# Altium PCB PCB.PcbDoc (part 1 of 3) (continued)
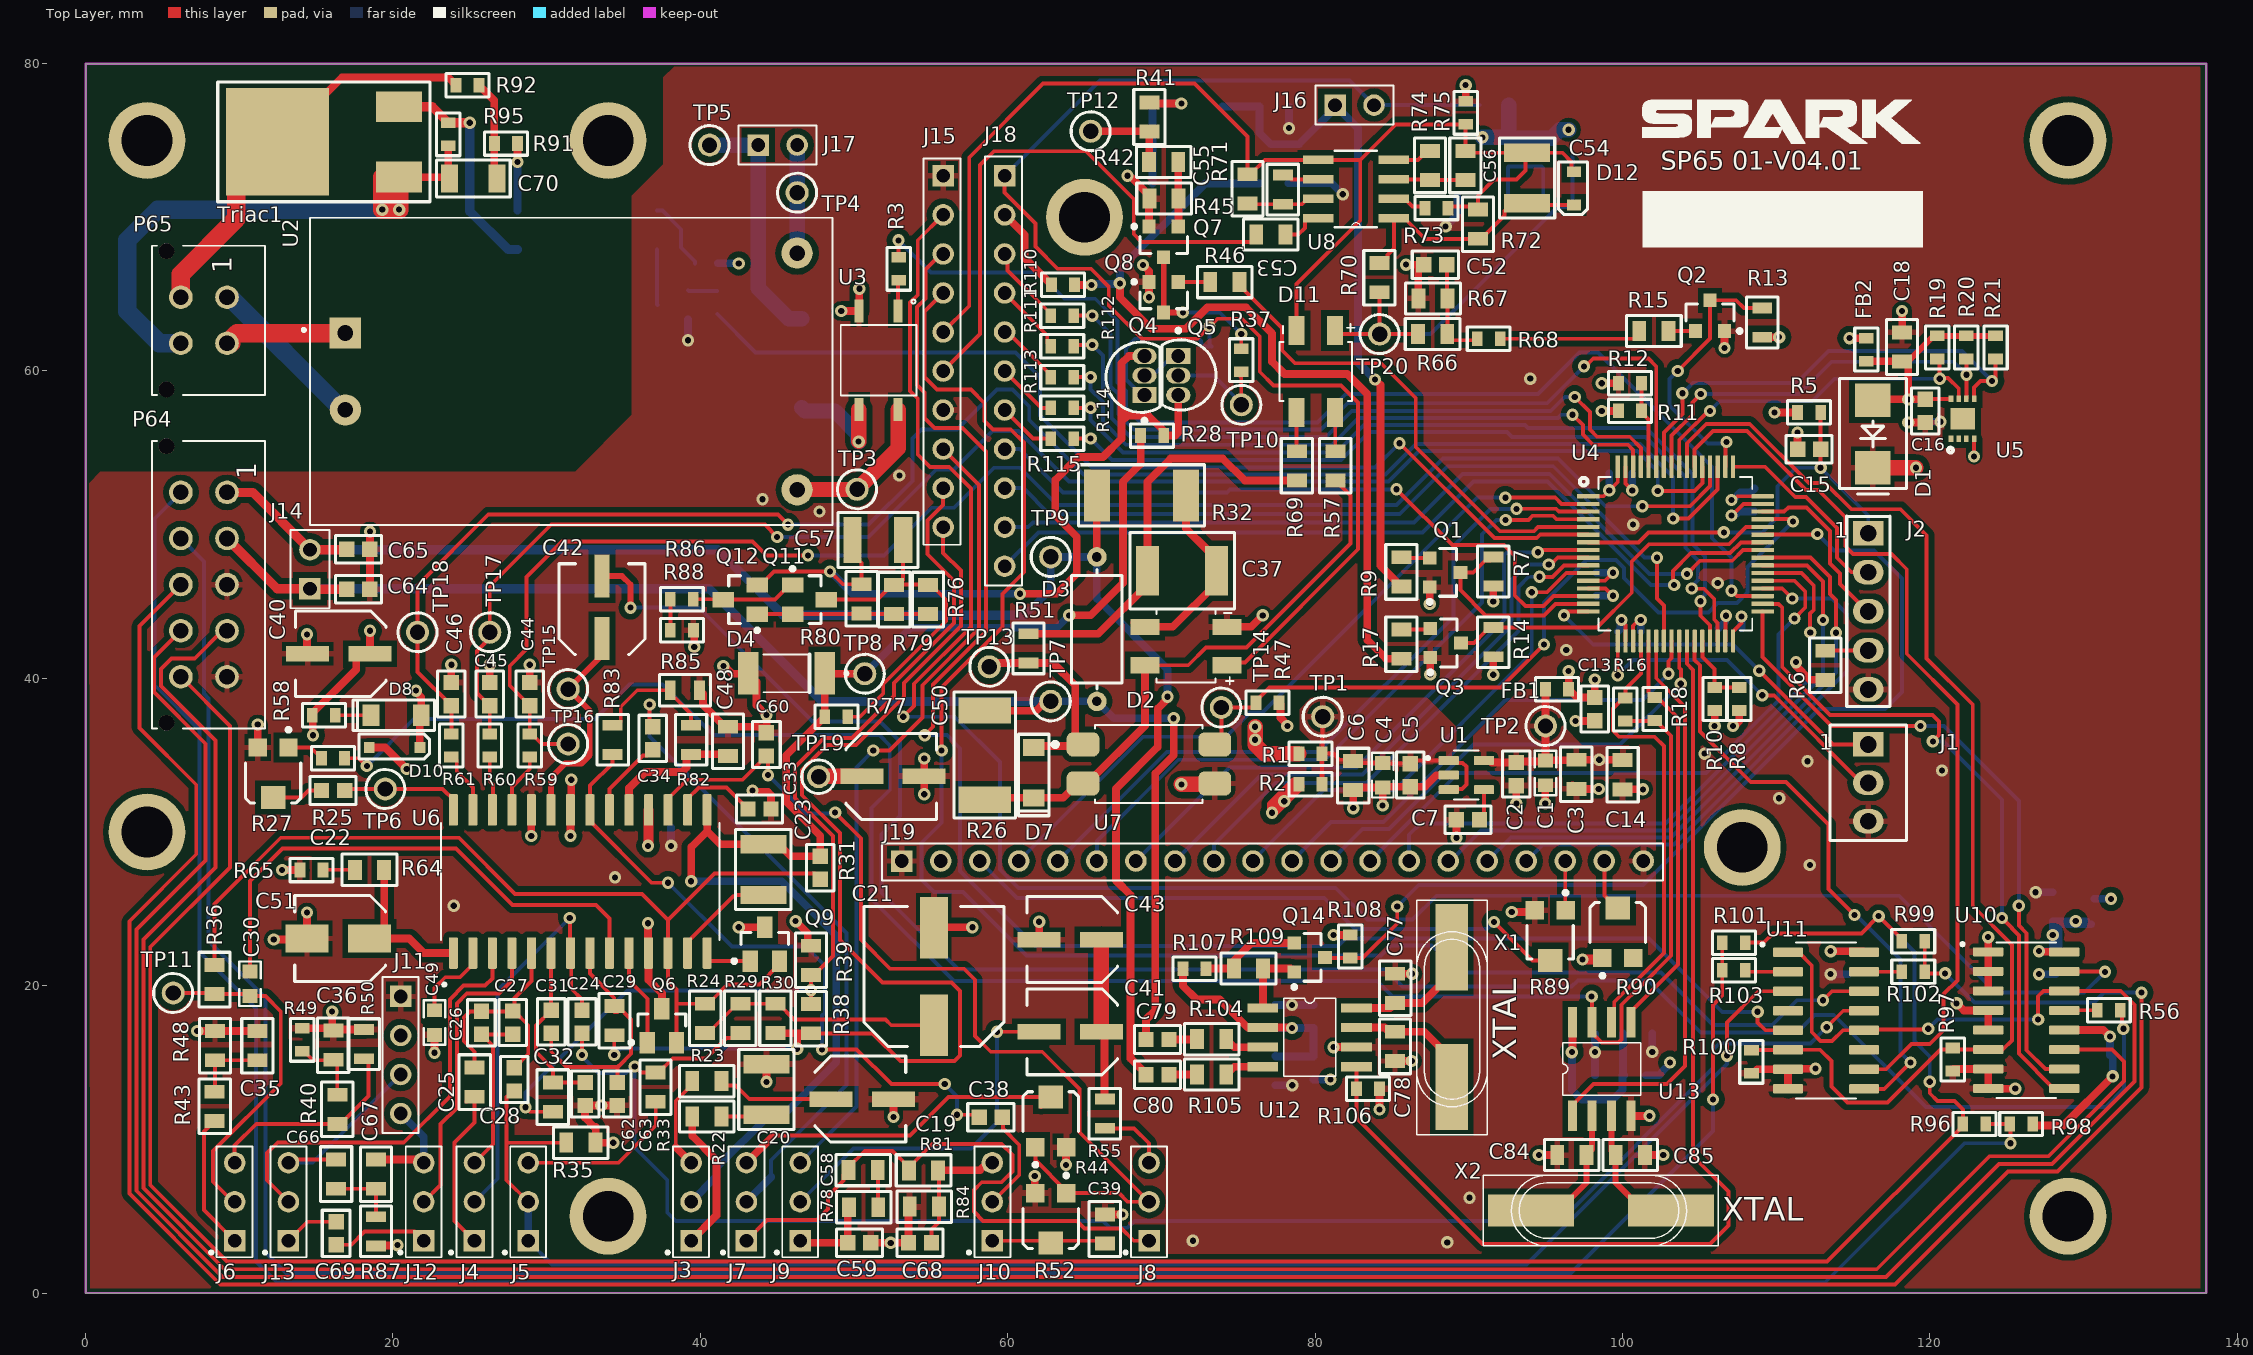
[diagram p0: Top Layer view]
## Components (designator, comment, footprint, x,y, rotation, side; value= is the part's Value field where it differs from the comment)
C1 "CL10A105KA8NNNC" C0603#1 95,33.845 r90 top value=1uF
C2 "CC0603KRX7R8BB104" C0603#2 93.1,33.77 r270 top value=100nF
C3 "C0805C106K9PACTU" 0805 97.017,33.776 r90 top value=10µF
C4 "CL10A105KA8NNNC" C0603#1 84.4,33.7 r90 top value=1uF
C5 "CC0603KRX7R8BB104" C0603#2 86.2,33.7 r270 top value=100nF
C6 "C0805C106K9PACTU" 0805 82.5,33.7 r90 top value=10µF
C7 "06035C103KAT2A" C0603#2 89.95,30.8 r0 top value=10nF
C8 "CC0603KRX7R8BB104" C0603#2 98.293,46.124 r90 bottom value=100nF
C9 "CC0603KRX7R8BB104" C0603#2 99.893,53.324 r0 bottom value=100nF
C10 "CC0603KRX7R8BB104" C0603#2 100.443,43.024 r180 bottom value=100nF
C11 "CC0603KRX7R8BB104" C0603#2 107,43.25 r180 bottom value=100nF
C12 "CC0603KRX7R8BB104" C0603#2 108.6,51.6 r270 bottom value=100nF
C13 "CC0603KRX7R8BB104" C0603#2 98.2,38 r270 top value=100nF
C14 "C0805C106K9PACTU" 0805 100,33.7 r270 top value=10µF
C15 "CC0603KRX7R8BB104" C0603#2 112.15,54.9 r180 top value=100nF
C16 "06035C103KAT2A" C0603#2 119.7,57.4 r90 top value=10nF
C17 "CC0603KRX7R8BB104" C0603#2 119.7,57.4 r270 bottom value=100nF
C18 "C0805C106K9PACTU" 0805 118.18,61.536 r270 top value=10µF
C19 "CMP-001-00187-1" "CAPAE6767X56M 100UF 16V" 50.8,13 r0 top value="100uF 16V"
C20 "GRM32ER7YA106KA12L" C1210 44.3,13.25 r90 top value=10µF
C21 "CMP-001-00174-1" "CAPAE9290X56M 220UF 6.3V" 55.2,20.6 r90 top value=220µF
C22 "CC0603KRX7R8BB104" C0603#2 16.1,32.7 r180 top value=100nF
C23 "GRM32ER7YA106KA12L" C1210 44.1,27.55 r90 top value=10µF
C24 "CC0603KRX7R8BB104" C0603#2 32.3,17.65 r270 top value=100nF
C25 "CMP-001-00170-1" 0805 25.3,13.7 r270 top value=33nF
C26 "CC0603KRX7R7BB824" C0603#2 25.756,17.584 r270 top value=820nF
C27 "CC0603KRX7R8BB104" C0603#2 27.8,17.6 r270 top value=100nF
C28 "CC0603KRX7R8BB104" C0603#2 27.9,13.9 r90 top value=100nF
C29 "CMP-001-00169-1" 0805 34.4,17.7 r270 top value=15nF
C30 "CL10A105KA8NNNC" C0603#1 10.7,20.125 r270 top value=1uF
C31 "06035C103KAT2A" C0603#2 30.3,17.65 r270 top value=10nF
C32 "CMP-001-00169-1" 0805 30.383,12.724 r270 top value=15nF
C33 "06035C103KAT2A" C0603#2 43.85,31.5 r180 top value=10nF
C34 "CC0603KRX7R8BB104" C0603#2 36.9,36.1 r90 top value=100nF
C35 "CMP-001-00169-1" 0805 11.159,16.071 r270 top value=15nF
C36 "CMP-001-00169-1" 0805 16.1,16.1 r270 top value=15nF
C37 "1812B684M251CT" C1812 71.35,47 r0 top value=680nF
C38 "VJ0603Y223JXAAC" C0603#2 58.9,11.44 r0 top value=22nF
C39 "CMP-001-00184-1" 0805 66.3,4.14 r270 top value=22nF
C40 "CMP-001-00185-1" "CAPAE9984X105M 470UF 6.3V" 20.532,43.759 r180 top value="470uF 6.3V"
C41 "CMP-001-00187-1" "CAPAE6767X56M 100UF 16V" 63.814,16.619 r180 top value="100uF 16V"
C42 "CMP-001-00187-1" "CAPAE6767X56M 100UF 16V" 33.219,44.886 r90 top value="100uF 16V"
C43 "CMP-001-00187-1" "CAPAE6767X56M 100UF 16V" 63.814,22.619 r180 top value="100uF 16V"
C44 "885342206003" 0603 28.76,39.997 r270 top value=1nF
C45 "885342206003" 0603 26.16,39.997 r270 top value=1nF
C46 "885342206003" 0603 23.66,39.997 r270 top value=1nF
C47 "CL21A226KPCLRNC" C0805 92.6,74.25 r90 bottom value=22µF
C48 "CL21A226KPCLRNC" C0805 41.8,35.9 r270 top value=22µF
C49 "CL10A105KA8NNNC" C0603#1 22.7,17.6 r90 top value=1uF
C50 "CMP-001-00187-1" "CAPAE6767X56M 100UF 16V" 52.8,34 r0 top value="100uF 16V"
C51 "CMP-001-00173-1" "CAPAE6342X55M 22UF 6.3V" 16.56,23.073 r180 top value=33µF
C52 "06035C103KAT2A" C0603#2 87.824,66.917 r0 top value=10nF
C53 "CMP-001-00181-1" 0805 77.1,68.9 r180 top value=220nF
C54 "GRM32ER7YA106KA12L" C1210 93.8,72.55 r270 top value=10µF
C55 "CMP-001-00182-1" 0805 75.583,71.824 r270 top value=620pF
C56 "CMP-001-00168-1" 0805 89.8,73.4 r90 top value=100nF
C57 "C1210C106M5RACTU" C1210 51.55,49 r0 top value=10µF
C58 "CL21A226KPCLRNC" C0805 50.6,8 r180 top value=22µF
C59 "CMP-001-00165-1" 0603 49.326,3.127 r0 top value=3.3uF
C60 "CC0603KRX7R8BB104" C0603#2 44.3,35.7 r270 top value=100nF
C61 "CC0603KRX7R8BB104" C0603#2 37.35,30.3 r180 bottom value=100nF
C62 "885342206003" 0603 32.64,11.928 r90 top value=1nF
C63 "885342206003" 0603 34.74,11.928 r90 top value=1nF
C64 "885342206003" 0603 18.772,45.94 r180 top value=1nF
C65 "885342206003" 0603 18.772,48.54 r180 top value=1nF
C66 "CMP-001-00190-1" C0805 16.3,7.74 r270 top value=4.7nF
C67 "CMP-001-00190-1" C0805 18.9,7.736 r90 top value=4.7nF
C68 "VJ0603Y223JXAAC" C0603#2 54.296,3.267 r0 top value=22nF
C69 "06035C103KAT2A" C0603#2 16.3,3.89 r90 top value=10nF
C70 "CMP-001-00171-1" 1206 23.8,72.3 r0 top value=22nF
C71 "CC0603KRX7R8BB104" C0603#2 114.7,21.5 r270 bottom value=100nF
C72 "06035C103KAT2A" C0603#2 128.2,21.5 r90 bottom value=10nF
C73 "C0805C106K9PACTU" 0805 128,25.1 r270 bottom value=10µF
C74 "CC0603KRX7R8BB104" C0603#2 79.9,18 r90 bottom value=100nF
C75 "06035C103KAT2A" C0603#2 77.4,18 r90 bottom value=10nF
C76 "C0805C106K9PACTU" 0805 77.4,14.5 r90 bottom value=10µF
C77 "CMP-001-00183-1" 0805 85.2,19.8 r270 top value=20pF
C78 "CMP-001-00183-1" 0805 85.217,16.076 r90 top value=20pF
C79 "06035C103KAT2A" C0603#2 69.75,16.5 r180 top value=10nF
C80 "06035C103KAT2A" C0603#2 69.75,14.2 r180 top value=10nF
C81 "CC0603KRX7R8BB104" C0603#2 97.462,14.178 r0 bottom value=100nF
C82 "06035C103KAT2A" C0603#2 97.462,16.878 r0 bottom value=10nF
C83 "C0805C106K9PACTU" 0805 100.962,16.878 r180 bottom value=10µF
C84 "CMP-001-00183-1" 0805 96.738,8.961 r0 top value=20pF
C85 "CMP-001-00183-1" 0805 100.486,8.995 r180 top value=20pF
D1 "CMP-004-00053-1" "SMB (DO-214AA)" 116.3,55.9 r270 top value="SMBJ5.0CA, Bi-Dir"
D2 "MB10F-13" DIOB_MB10F-13 71.6,42.1 r180 top
D3 "DSS-301L" DSS 65.8,43.201 r90 top
D4 "ZM4740A" DIOMELF5124N 45.6,40.325 r180 top
D5 "MURS140-E3/5BT" DO-214AA-2 71.7,72.2 r0 bottom
D6 "MURS140-E3/5BT" DO-214AA-2 71.7,77.2 r0 bottom
D7 "1N4148W_R1_00001" SOD-123 61.7,33.86 r90 top
D8 "1N4148W_R1_00001" SOD-123 20.2,37.6 r0 top
D9 "DDZ5V1BS-7" "Zener 5.1V" 90.9,71.4 r0 bottom value=5.1V
D10 "DDZ5V1BS-7" "Zener 5.1V" 20.1,35.5 r0 top value=5.1V
D11 "MB10F-13" DIOB_MB10F-13 80.05,59.962 r270 top
D12 "CMP-004-00064-1" "Diode - 27V" 96.85,71.95 r270 top value=27V
FB1 "CMP-006-00051-1" R0603 95.75,39.3 r180 top
FB2 "CMP-006-00051-1" R0603 115.88,61.386 r90 top
FB3 "CMP-006-00051-1" R0603 130.7,24.9 r90 bottom
FB4 "CMP-006-00051-1" R0603 79.9,14.65 r270 bottom
FB5 "CMP-006-00051-1" R0603 100.762,14.178 r0 bottom
J1 "171825-3" "HDR_MALE_1x3_2.5MM_AMP EI_VERT" 116,33.2 r0 top locked value="HDR 3x1, 2.5 mm"
J2 "5 x 1 HDR" HDR_male_1x5_2.54mm 116,44.36 r0 top locked
J3 "5-146274-3" TE_5-146274-3 39.4,5.94 r90 top
J4 "5-146274-3" TE_5-146274-3 25.3,5.94 r90 top
J5 "5-146274-3" TE_5-146274-3 28.8,5.94 r90 top
J6 "5-146274-3" TE_5-146274-3 9.7,5.94 r90 top
J7 "5-146274-3" TE_5-146274-3 43,5.94 r90 top
J8 "5-146274-3" TE_5-146274-3 69.2,5.94 r90 top
J9 "5-146274-3" TE_5-146274-3 46.5,5.94 r90 top
J10 "5-146274-3" TE_5-146274-3 59,5.94 r90 top
J11 "5-146274-4" 5-146274-3 20.5,15.49 r270 top
J12 "5-146274-3" TE_5-146274-3 22,5.94 r90 top
J13 "5-146274-3" TE_5-146274-3 13.2,5.94 r90 top
J14 "5-146274-2" TE_5-146274-2 14.6,47.1 r90 top
J15 "146443-5" 146443-5 55.8,61.267 r270 top locked
J16 "5-146274-2" TE_5-146274-2 82.57,77.3 r0 top
J17 "5-146274-2" TE_5-146274-2 45.03,74.7 r0 top
J18 "1-826629-1" 1-826629-1 59.8,59.997 r270 top locked
J19 "2-826936-0" 2-826936-0 77.232,28.113 r0 top locked
P64 "66201021122" "POWER 10 PIN" 9.732,45.846 r90 top locked
P65 "66200421122" power-4pin 9.859,63.427 r90 top locked
Q1 "MMBT2222A-7-F" SOT23127P600-8N 88.465,46.889 r0 top
Q2 "MMBT2222A-7-F" SOT23127P600-8N 105.7,63.6 r90 top
Q3 "MMBT2222A-7-F" SOT23127P600-8N 88.5,42.3 r0 top
Q4 "MPSA92PBFREE" UNIC-TO-92-3 68.9,59.7 r270 top
Q5 "MPSA92PBFREE" UNIC-TO-92-3 71.1,59.7 r90 top
Q6 "BCX17LT1G" FAIR-SOT23-3_V 37.5,17.4 r90 top
Q7 "MMBT5551" SOT23127P600-8N 70.15,68.4 r270 top
Q8 "MMBT5551" SOT23127P600-8N 70.15,64.8 r270 top
Q9 "BCX17LT1G" FAIR-SOT23-3_V 44.2,22.7 r90 top
Q10 "MMBT5551" SOT23127P600-8N 95.8,74.2 r0 bottom
Q11 "BCX17LT1G" FAIR-SOT23-3_V 47.1,45.125 r0 top
Q12 "BCX17LT1G" FAIR-SOT23-3_V 42.6,45.125 r180 top
Q13 "MMBT2222A-7-F" SOT23127P600-8N 38.2,64.3 r180 bottom
Q14 "MMBT2222A-7-F" SOT23127P600-8N 79.644,21.837 r0 top
R1 "RMCF0603ZT0R00" R0603 79.7,35.1 r0 top value=0
R2 "RMCF0603ZT0R00" R0603 79.7,33.1 r0 top value=0
R3 "RC0603FR-07330RL" R0603 52.9,66.65 r90 top value=330
R4 "4-1879501-3" R2512 46.6,60.5 r90 bottom value=56
R5 "CRCW060310K0JNEA" R0603 112.15,57.3 r180 top value=10k
R6 "CMP-009-00305-1" 0805 113.183,40.824 r270 top value=0
R7 "RC0805FR-07100KL" R0805 91.6,46.95 r270 top value=100k
R8 "CRCW060310K0JNEA" R0603 107.6,38.65 r90 top value=10k
R9 "CMP-009-00300-1" 0805 85.6,46.9 r270 top value="1 M"
R10 "CRCW060310K0JNEA" R0603 106,38.65 r90 top value=10k
R11 "CRCW060310K0JNEA" R0603 100.5,57.4 r0 top value=10k
R12 "CRCW060310K0JNEA" R0603 100.5,59.2 r0 top value=10k
R13 "RC0805FR-07100KL" R0805 109.1,63.15 r270 top value=100k
R14 "RC0805FR-07100KL" R0805 91.6,42.35 r270 top value=100k
R15 "CMP-009-00308-1" 0805 102.076,62.583 r0 top value=330k
R16 "CRCW060310K0JNEA" R0603 100.193,37.977 r90 top value=10k
R17 "CMP-009-00300-1" 0805 85.6,42.2 r270 top value="1 M"
R18 "CRCW060310K0JNEA" R0603 102.1,38 r90 top value=10k
R19 "CRCW060310K0JNEA" R0603 120.48,61.536 r90 top value=10k
R20 "CRCW060310K0JNEA" R0603 122.38,61.536 r90 top value=10k
R21 "CRCW060310K0JNEA" R0603 124.28,61.536 r270 top value=10k
R22 "CMP-009-00298-1" 0805 40.4,11.5 r180 top value=1.5k
R23 "CMP-009-00299-1" 0805 40.4,13.8 r180 top value=1.8k
R24 "CMP-009-00296-1" 0805 40.3,17.848 r270 top value=2.2k
R25 "RMCF0603ZT0R00" R0603 16.1,34.8 r180 top value=0
R26 "1-2176230-4" R2512 58.5,35 r270 top value=10
R27 "TC33X-2-203E" BOUR-TC33X-2_V 12.2,33.7 r270 top value=20k
R28 "RMCF0603ZT0R00" R0603 69.4,55.8 r180 top value=0
R29 "CMP-009-00289-1" 0805 42.617,17.9 r90 top value=1.2k
R30 "CMP-009-00289-1" 0805 44.9,17.9 r90 top value=1.2k
R31 "CMP-009-00303-1" 0603 47.94,26.653 r90 top value=30
R32 "1-2176230-4" R2512 68.7,51.9 r0 top value=10
R33 "CMP-009-00295-1" 0805 37.1,13.425 r90 top value=2k
R34 "RC0805FR-07100KL" R0805 73.25,60.65 r270 bottom value=100k
R35 "CMP-009-00289-1" 0805 32.2,9.8 r180 top value=1.2k
R36 "CMP-009-00293-1" 0805 8.4,20.425 r90 top value=300
R37 "CRCW060310K0JNEA" R0603 75.2,60.7 r270 top value=10k
R38 "CMP-009-00302-1" 0805 47.183,17.824 r270 top value=8.2k
R39 "CMP-009-00289-1" 0805 47.183,21.624 r270 top value=1.2k
R40 "CMP-009-00292-1" 0805 16.359,11.925 r270 top value=2.7k
R41 "CMP-009-00316-1" 0805 69.2,76.5 r270 top value=470k
R42 "CMP-009-00311-1" 0805 70.176,73.583 r0 top value=82k
R43 "CMP-009-00299-1" 0805 8.383,12.124 r270 top value=1.8k
R44 "TC33X-2-203E" BOUR-TC33X-2_V 62.8,11.3 r90 top value=20k
R45 "CMP-009-00308-1" 0805 70.2,71.2 r0 top value=330k
R46 "CMP-009-00311-1" 0805 74.1,65.8 r180 top value=82k
R47 "CRCW060310K0JNEA" R0603 76.9,38.4 r0 top value=10k
R48 "CMP-009-00306-1" 0805 8.4,16.071 r270 top value=12k
R49 "CRCW060310K0JNEA" R0603 14.1,16.478 r270 top value=10k
R50 "CMP-009-00321-1" R0805 18.1,16.2 r270 top value=18k
R51 "CMP-009-00321-1" R0805 61.35,41.95 r270 top value=18k
R52 "TC33X-2-203E" BOUR-TC33X-2_V 62.8,4.7 r270 top value=20k
R53 "CMP-009-00300-1" 0805 77.3,77.2 r180 bottom value="1 M"
R54 "CMP-009-00300-1" 0805 77.3,72.2 r180 bottom value="1 M"
R55 "CRCW0805680RJNEBC" R0805 66.317,11.669 r90 top value=680
R56 "RMCF0603ZT0R00" R0603 131.65,18.4 r180 top value=0
R57 "CMP-009-00305-1" 0805 81.3,53.8 r270 top value=0
R58 "RMCF0603ZT0R00" R0603 15.5,37.6 r180 top value=0
R59 "CRCW060310R0FKEAHP" R0603 28.9,35.628 r90 top value=10
R60 "CRCW060310R0FKEAHP" R0603 26.3,35.628 r90 top value=10
R61 "CRCW060310R0FKEAHP" R0603 23.8,35.628 r90 top value=10
R62 "CMP-009-00294-1" 0805 91.676,77.317 r0 bottom value=1.5M
R63 "CMP-009-00321-1" R0805 95.8,71.2 r0 bottom value=18k
R64 "CMP-009-00314-1" 0805 18.5,27.525 r0 top value=47k
R65 "RMCF0603ZT0R00" R0603 14.7,27.525 r0 top value=0
R66 "CMP-009-00308-1" 0805 87.624,62.417 r180 top value=330k
R67 "CMP-009-00308-1" 0805 87.7,64.7 r0 top value=330k
R68 "RMCF0603ZT0R00" R0603 91.3,62.1 r180 top value=0
R69 "CMP-009-00315-1" 0805 78.8,53.8 r270 top value=2.2k
R70 "CMP-009-00296-1" 0805 84.2,66.1 r90 top value=2.2k
R71 "CMP-009-00320-1" R0805 77.9,71.8 r90 top value=390k
R72 "CMP-009-00308-1" 0805 90.583,69.524 r270 top value=330k
R73 "CRCW060310K0JNEA" R0603 87.9,70.6 r180 top value=10k
R74 "CMP-009-00309-1" 0805 87.5,73.4 r90 top value=510k
R75 "RMCF0603ZT0R00" R0603 89.8,76.8 r270 top value=0
R76 "CMP-009-00289-1" 0805 54.8,45.1 r270 top value=1.2k
R77 "RMCF0603ZT0R00" R0603 48.85,37.5 r180 top value=0
R78 "CMP-009-00291-1" 0805 50.6,5.6 r180 top value=200
R79 "CMP-009-00289-1" 0805 52.6,45.1 r270 top value=1.2k
R80 "CMP-009-00290-1" 0805 50.483,45.149 r270 top value=13
R81 "CMP-009-00306-1" 0805 54.5,8 r180 top value=12k
R82 "CMP-009-00320-1" R0805 39.4,36 r270 top value=390k
R83 "CMP-009-00320-1" R0805 34.3,36 r90 top value=390k
R84 "CMP-009-00306-1" 0805 54.6,5.6 r0 top value=12k
R85 "CMP-009-00320-1" R0805 39,39.225 r180 top value=390k
R86 "CRCW060310K0JNEA" R0603 38.795,45.147 r0 top value=10k
R87 "CMP-009-00320-1" R0805 18.9,4.018 r90 top value=390k
R88 "RMCF0603ZT0R00" R0603 38.8,43.125 r180 top value=0
R89 "TC33X-2-103G" BI-35WR10KLFTR-3_V 95.3,23.3 r270 top value=10k
R90 "TC33X-2-501E" BOUR-TC33X-2_V 99.7,23.6 r90 top value=500
R91 "CMP-009-00208-1" R0603 27.35,74.8 r180 top value=51
R92 "CMP-009-00192-1" R0603 24.85,78.6 r180 top value=150R
R93 "RC0603FR-07330RL" R0603 40.4,67 r0 bottom value=330
R94 "CMP-009-00194-1" R0603 41.1,64.45 r90 bottom value=1k
R95 "CMP-009-00224-1" R0603 23.6,75.4 r90 top value=390
R96 "RMCF0603ZT0R00" R0603 122.9,11 r0 top value=0
R97 "CRCW060310K0JNEA" R0603 121.5,15.2 r270 top value=10k
R98 "RMCF0603ZT0R00" R0603 125.95,11 r180 top value=0
R99 "RMCF0603ZT0R00" R0603 118.926,22.9 r0 top value=0
R100 "CRCW060310K0JNEA" R0603 108.4,15.05 r270 top value=10k
R101 "RMCF0603ZT0R00" R0603 107.25,22.8 r180 top value=0
R102 "RMCF0603ZT0R00" R0603 118.926,20.9 r0 top value=0
R103 "RMCF0603ZT0R00" R0603 107.25,21 r180 top value=0
R104 "CMP-009-00307-1" 0805 73.3,16.5 r0 top value=200k
R105 "CMP-009-00307-1" 0805 73.3,14.2 r0 top value=200k
R106 "KTR03EZPJ472" R0603 83.45,13.3 r180 top value=4.7k
R107 "KTR03EZPJ472" R0603 72.15,21.1 r180 top value=4.7k
R108 "KTR03EZPJ472" R0603 82.3,22.55 r90 top value=4.7k
R109 "CMP-009-00314-1" 0805 75.644,21.137 r180 top value=47k
R110 "CRCW060310K0JNEA" R0603 63.6,65.6 r180 top value=10k
R111 "CRCW060310K0JNEA" R0603 63.55,63.6 r180 top value=10k
R112 "CRCW060310K0JNEA" R0603 63.55,61.6 r180 top value=10k
R113 "CRCW060310K0JNEA" R0603 63.55,59.6 r180 top value=10k
R114 "CRCW060310K0JNEA" R0603 63.55,57.6 r180 top value=10k
R115 "CRCW060310K0JNEA" R0603 63.55,55.6 r180 top value=10k
TP1 "5003" KSTN-5003 80.5,37.5 r0 top
TP2 "5003" KSTN-5003 95,36.9 r0 top
TP3 "5003" KSTN-5003 50.2,52.3 r0 top
TP4 "5003" KSTN-5003 46.3,71.6 r0 top
TP5 "5003" KSTN-5003 40.6,74.7 r0 top
TP6 "5003" KSTN-5003 19.5,32.8 r0 top
TP7 "5003" KSTN-5003 62.8,38.5 r270 top
TP8 "5003" KSTN-5003 50.7,40.3 r0 top
TP9 "5003" KSTN-5003 62.8,47.9 r270 top
TP10 "5003" KSTN-5003 75.2,57.8 r270 top
TP11 "5003" KSTN-5003 5.7,19.525 r90 top
TP12 "5003" KSTN-5003 65.4,75.6 r180 top
TP13 "5003" KSTN-5003 58.8,40.75 r90 top
TP14 "5003" KSTN-5003 73.9,38.1 r90 top
TP15 "5003" KSTN-5003 31.4,39.3 r90 top
TP16 "5003" KSTN-5003 31.4,35.725 r90 top
TP17 "5003" KSTN-5003 26.3,43 r90 top
TP18 "5003" KSTN-5003 21.6,43 r90 top
TP19 "5003" KSTN-5003 47.7,33.6 r90 top
TP20 "5003" KSTN-5003 84.2,62.4 r90 top
Triac1 "ACST210-8BTR" ACST210_DPAK 16.45,74.914 r0 top
U1 "CMP-031-00019-1" LM 90.7,34.261 r180 top
U2 "HLK-PM01" HLK-PMO1 36.426,54 r0 top locked
U3 "PS2702-1-F3-A" SOP4 50.2,61.2 r270 top
U4 "STM32L100RCT6TR" STM32L100RCT6TR-Footprint-1 103.45,48.1 r0 top
U5 "CMP-031-00020-1" NV24C16UV 122.782,55.497 r90 top
U6 "AS2523-T" AS2523 40.44,21.192 r90 top
U7 "PC817XI" SOIC254P975X460-4N 69.19,34.43 r0 top
U8 "BA8206F-E2" BA8206 83.172,74.248 r180 top
U9 "VOT8024AB-T" SW-TRIAC 33.656,67.138 r180 bottom
U10 "SN74LV4052ADR" demultiplexer 126.148,14.199 r0 top
U11 "SN74LV4052ADR" demultiplexer 113.126,14.179 r0 top
U12 "HT9032D" SSOIC8 79.644,16.637 r0 top
U13 "HT9200A-8SOPLF" SSOIC8 98.662,14.578 r90 top
X1 "CMP-003-00038-1" XTAL 88.9,22.5 r270 top
X2 "CMP-003-00038-1" XTAL 103.162,5.378 r180 top

## Footprints (in the part's own frame and the unit in brackets; to place one, negate y for a bottom-side part, rotate by r counter-clockwise, add the part's x,y. Pads: shape width x height; smd on the part's side, far side on the other; paste and mask are expansions set on the pad)
1-826629-1 [mm]
  rect 1.398x1.398 hole 0.89: 1(-12.7,0)
  round 1.398 hole 0.89: 2(-10.16,0) 3(-7.62,0) 4(-5.08,0) 5(-2.54,0) 6(0,0) 7(2.54,0) 8(5.08,0) 9(7.62,0) 10(10.16,0) 11(12.7,0)
  silkscreen extent -13.97,-1.27 13.97,1.14, body extent -13.97,-1.31 13.97,1.23, height 9.3
2-826936-0 [mm]
  rect 1.398x1.398 hole 0.89: 1(-24.13,0)
  round 1.398 hole 0.89: 2(-21.59,0) 3(-19.05,0) 4(-16.51,0) 5(-13.97,0) 6(-11.43,0) 7(-8.89,0) 8(-6.35,0) 9(-3.81,0) 10(-1.27,0) 11(1.27,0) 12(3.81,0) 13(6.35,0) 14(8.89,0) 15(11.43,0) 16(13.97,0) 17(16.51,0) 18(19.05,0) 19(21.59,0) 20(24.13,0)
  silkscreen extent -25.4,-1.27 25.4,1.14, body extent -25.4,-1.29 25.4,1.21, height 9.27
5-146274-3 [mm]
  rect 1.398x1.398 hole 0.89: 1(-3.81,0)
  round 1.398 hole 0.89: 2(-1.27,0) 3(1.27,0) 4(3.81,0)
  silkscreen extent -5.08,-1.17 5.08,1.17, body extent -5.08,-1.24 5.08,1.24, height 8.57
0603 [mm]
  rect 1x1 smd: 1(0.272,0.14) 2(1.772,0.14)
  silkscreen extent -0.48,-0.76 2.52,1.04, body extent 0.15,-0.33 1.9,0.62, height 0.88
0805 [mm]
  rect 0.9x1.3 smd: 1(-0.976,0.017) 2(0.924,0.017)
  silkscreen extent -1.8,-1 1.75,1.03, body extent -1.03,-0.58 0.97,0.62, height 0.96
1206 [mm]
  rect 1.1x1.8 smd: 1(-0.12,0.227) 2(2.98,0.227)
  silkscreen extent -0.97,-0.97 3.83,1.43, body extent -0.17,-0.65 3.03,1.1, height 1.61
146443-5 [mm]
  rect 1.398x1.398 hole 0.89: 1(-11.43,0)
  round 1.398 hole 0.89: 2(-8.89,0) 3(-6.35,0) 4(-3.81,0) 5(-1.27,0) 6(1.27,0) 7(3.81,0) 8(6.35,0) 9(8.89,0) 10(11.43,0)
  silkscreen extent -12.57,-1.27 12.57,1.14, body extent -12.57,-1.22 12.57,1.14, height 10.82
ACST210_DPAK [mm]
  rect 3x2 smd: COM(3.95,-2.286) G(3.95,2.286)
  rect 6.7x7 smd: OUT(-3.95,0)
  silkscreen extent -7.85,-3.9 5.95,3.9, body extent -5.97,-3.27 3.9,3.27, height 2.64
AS2523 [mm]
  rrect25% 2.05x0.59 smd: 1(0.933,16.51) 2(0.933,15.24) 3(0.933,13.97) 4(0.933,12.7) 5(0.933,11.43) 6(0.933,10.16) 7(0.933,8.89) 8(0.933,7.62) 9(0.933,6.35) 10(0.933,5.08) 11(0.933,3.81) 12(0.933,2.54) 13(0.933,1.27) 14(0.933,0) 15(10.243,0) 16(10.243,1.27) 17(10.243,2.54) 18(10.243,3.81) 19(10.243,5.08) 20(10.243,6.35) 21(10.243,7.62) 22(10.243,8.89) 23(10.243,10.16) 24(10.243,11.43) 25(10.243,12.7) 26(10.243,13.97) 27(10.243,15.24) 28(10.243,16.51)
  silkscreen extent -1.22,-0.79 9.39,17.3, body extent 0.55,-0.82 10.88,17.08, height 2.65
BA8206 [mil]
  rect 78x22 smd: 1(-77,170) 2(-77,120) 3(-77,70) 4(-77,20) 5(117,20) 6(117,70) 7(117,120) 8(117,170)
  silkscreen extent -34,-3 74,194, body extent -103,-1 133,191, height 67
BI-35WR10KLFTR-3_V [mm] "SMD, 3-Leads, Body 3x3.1mm"
  rect 1.2x1.2 smd: 1(-1.6,1) 3(-1.6,-1)
  rect 1.5x1.6 smd: 2(1.65,0)
  silkscreen extent -2.87,-1.5 1.55,1.5, body extent -1.55,-1.5 1.55,1.5, height 1.8
BOUR-TC33X-2_V [mm] "SMD, 3-Leads, Body 3.8x3.6mm"
  rect 1.2x1.2 smd: 1(-1.8,1) 3(-1.8,-1)
  rect 1.5x1.6 smd: 2(1.45,0)
  silkscreen extent -3.07,-1.8 1.8,1.8, body extent -2,-1.8 1.96,1.8, height 1.15
C0603#1 [mm] "0603"
  rect 0.9x1 smd: 1(-0.8,0) 2(0.8,0)
  silkscreen extent -1.45,-0.7 1.45,0.7, body extent -0.8,-0.4 0.8,0.4, height 0.3
C0603#2 [mm]
  rect 1x1 smd: 1(-0.75,0) 2(0.75,0)
  silkscreen extent -1.5,-0.9 1.5,0.9, body extent -0.88,-0.47 0.87,0.48, height 0.88
C0805 [mm]
  rect 0.9x1.3 smd: 1(-0.95,0) 2(0.95,0)
  silkscreen extent -1.78,-1.02 1.78,1.02, body extent -1,-0.6 1,0.6, height 0.96
C1210 [mm]
  rect 1.2x3 smd: 1(-1.65,0) 2(1.65,0)
  silkscreen extent -2.6,-1.8 2.6,1.8, body extent -1.6,-1.4 1.6,1.39, height 2.51
C1812 [mm]
  rect 1.5x3.2 smd: 1(-2.25,0) 2(2.25,0)
  silkscreen extent -3.4,-2.5 3.4,2.5, body extent -2.39,-1.35 2.41,1.35, height 3.51
"CAPAE6342X55M 22UF 6.3V" [mm]
  rect 2.8x1.8 smd: 1(-1.905,0) 2(2.15,0)